# KiCad board robot-hub_rev3.kicad_pcb (continued)
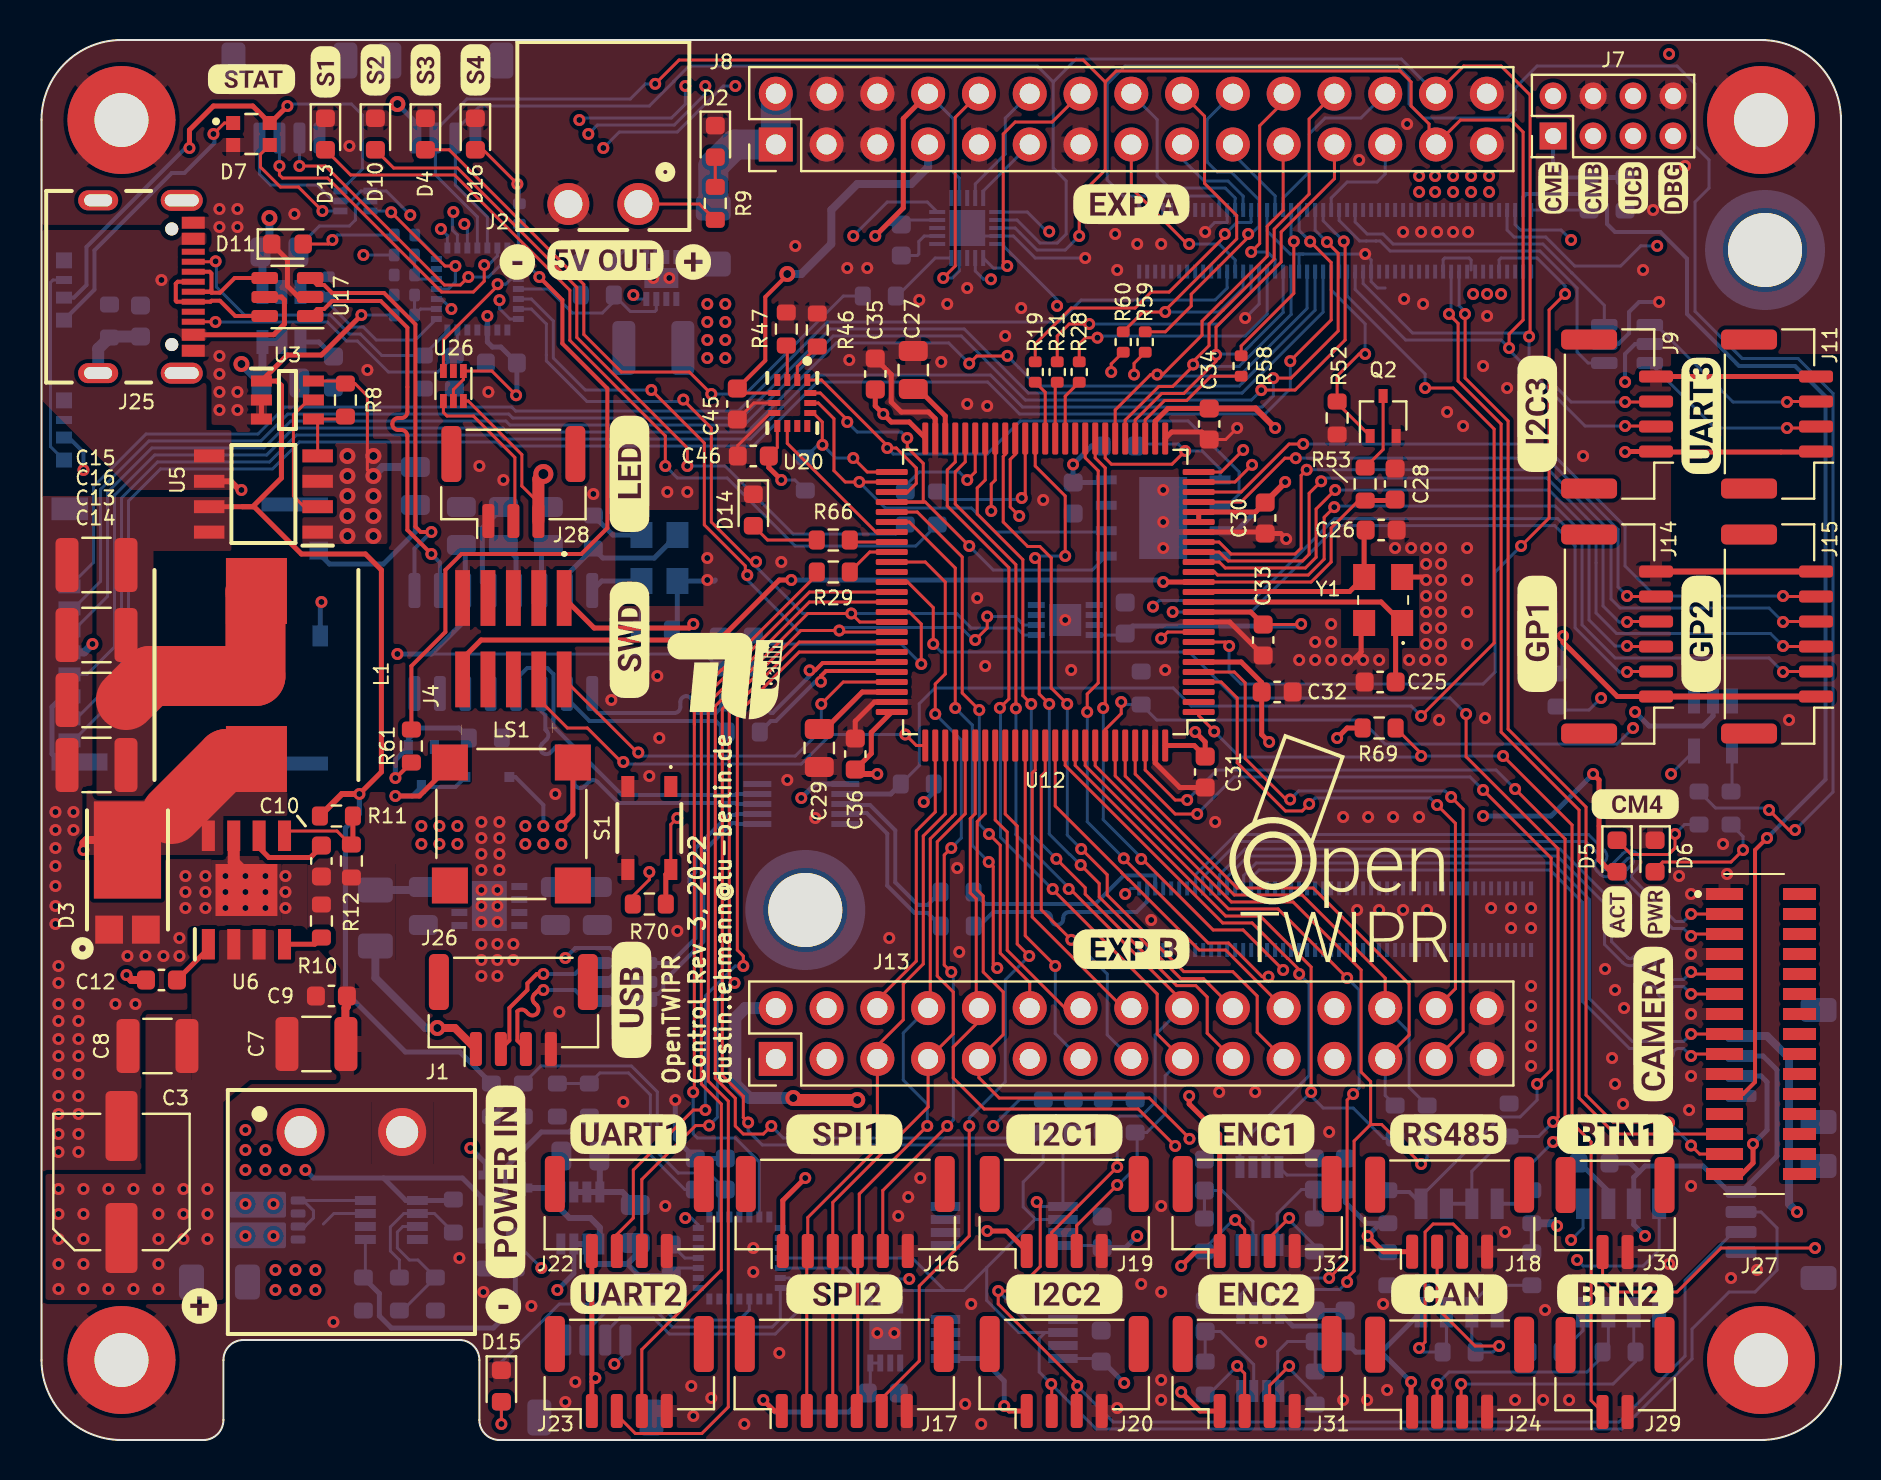
[diagram p0: board, top side]
## Routing (per net, layer and track width the routed paths; a pad name or vN(x,y) marks a point on that pad's centre or on a via; arc(x,y) is an arc through that point) (continued)
3V3_SUPERVISOR: length 17.7
  In1.Cu w0.25: v1(28.65,3.8) 28.65,4.65 v1(25.8,7.5)
  Bottom w0.15: U13.3 31.88,8.6 C37.1 ; v1(28.65,3.8) 29.2,4.35 J5.1
  Bottom w0.25: v1(25.8,7.5) 26.62,8.32 U1.7 ; 29.3,8.8 29.88,8.22 C37.1
  Bottom w0.3: C2.1 29.7,9.2 29.3,8.8 27.45,8.8 27.28,8.97 U1.6 U1.7
5V_REG: length 70.9
  Top w0.25: 10.05,46.66 10.64,46.66 13,44.3 16.2,44.3 17,43.5 17,33.4 v1(15.9,32.3) ; 10.05,46.66 U5.7 ; 10.05,46.66 10.56,46.66 12,48.1 12,52.72 11.78,52.95 U3.1 12.3,54.25 14,54.25 v1(16,56.25)
  Top w0.3: v1(15.9,32.3) 15.03,32.3 R11.1
  Top w3: C13.1 5.42,38.2 10.7,38.2 10.7,42.4 L1.2
  Bottom w0.15: R36.2 v1(16,56.25)
  Bottom w0.25: v1(15.9,32.3) 15.9,31.3 15.2,30.6 15.2,22.4 18.2,19.4 20.92,19.4 R30.2
5V_SWITCHED: length 30.5
  Top w0.15: R9.2 32.91,61.8 J2.1
  In1.Cu w0.4: v2(17.8,66.8) 17.9,66.9 27.8,66.9 29.85,64.85 J2.1
  Bottom w0.25: J12.1 18.7,65.9 v2(17.8,66.8)
  Bottom w1.5: F2.2 33.6,63.7 34.67,64.77 J8.1 J8.2
5V_USB: length 57.1
  Top w0.25: U17.5 12,57.15 12.15,57 12.15,55.8 11.61,55.26 J25.B4_A9
  Top w0.3: U5.6 9.47,47.93 9.9,47.5 v1(10,47.5)
  In1.Cu w0.25: v1(16.1,59.25) 13.97,57.12 6.88,57.12 v1(6,58)
  In1.Cu w0.3: v1(17.8,39.3) 16.7,40.4 14.2,40.4 10,44.6 v1(10,47.5)
  Bottom w0.15: R15.1 33.17,39.3 19.5,39.3 ; R34.2 v1(16.1,59.25)
  Bottom w0.25: v1(17.8,39.3) 19.5,39.3 21.2,40.99 U16.11 21.2,44.63 21.15,44.67
+3V3: length 518.3
  Top w0.15: v1(30.4,28.4) 30.4,28.02 29.58,27.19 R70.1 ; C33.1 62.98,40.77 v1(63,40.8) ; C45.1 35.03,52.35 U20.5 ; v1(23.74,52.24) 22.52,53.45 U26.1 21.1,53.02 20.6,52.52 U26.5 ; C46.1 36.8,49.62 U20.8
  Top w0.2: C45.1 36.2,53.97 36.2,57.15 37.35,58.3
  Top w0.25: J17.1 36.65,1.45 v1(36.1,2) ; J19.1 48.28,10.45 v1(47.3,10.45) ; J20.1 48.4,1.45 v1(48.15,1.7) ; v1(61.4,34.9) 61.02,35.27 C32.1 61.02,37.88 60,38.9 U12.6 ; v1(66.32,10.2) 67.11,9.42 J18.1 ; v1(64.8,35.1) 65.3,35.6 R69.1 ; U12.100 57.65,34.72 C31.1 58.2,34.9 v1(57.7,35.4) ; 44.2,50.12 U12.50 44.2,50.1 43.4,50.9 42.5,50.9 v1(42.1,51.3) 41.7,51.7 C35.1 ; J16.1 37.08,11.97 v1(38.2,13.1) ; v1(32.6,40.8) 32.4,40.6 27.64,40.6 J4.1 ; C33.1 60.48,41.4 U12.11 ; U12.75 41.5,35.37 41.5,34.32 C36.1 ; C30.1 60.73,46.4 U12.21 U12.20 ; v1(68.5,2.9) 68.5,1.47 J24.1 ; C34.2 56.33,51.57 55.7,50.94 U12.27 ; C46.1 36.38,48.62 v1(37,48) ; v1(26,30.7) 26.58,31.27 LS1.P ; J23.1 27.53,2.92 v1(27.7,3.1) 27.53,3.28 J22.1 ; J14.1 78.81,37.17 76.1,39.88 v1(76.1,40.2)
  Top w0.3: C36.1 40.92,33.3 v1(41.8,33.3) ; C30.1 62.2,47.88 v1(62.2,47.9) ; C34.2 60.73,51.57 v1(61.7,50.6) ; J14.1 J15.1
  In1.Cu w0.25: v1(30.4,28.4) 30.4,29.4 30,29.8 ; v1(22.3,56.2) 22.25,56.2 20.75,57.7 19.7,57.7 18.45,58.95 v1(18.45,61.25) ; 34.3,42.3 32.8,40.8 v1(32.6,40.8)
  In1.Cu w0.3: v1(51.59,48.78) 53.67,46.7 61,46.7 v1(62.2,47.9) ; 41.8,34.4 v1(41.8,33.3)
  In1.Cu w0.4: v1(23.74,52.24) 23.76,52.24 26,50 34.5,50 36.5,48 v1(37,48) ; v1(48.15,1.7) 48.15,2.45 47.9,2.7 ; 67.5,9.6 69.5,7.6 77.9,7.6 79,8.7 79,10 ; 67.5,9.6 66.9,10.2 v1(66.32,10.2) 47.55,10.2 v1(47.3,10.45) 49.3,8.45 49.3,4.7 50.1,3.9 ; 67.5,9.6 66.2,8.3 66.2,5.2 v1(68.5,2.9) ; v1(61.4,34.9) 64.6,34.9 v1(64.8,35.1) ; v1(57.7,35.4) 57.7,34.5 58.6,33.6 ; 50.1,3.9 53.1,3.9 v1(54.15,2.85) ; 50.1,3.9 48.9,2.7 47.9,2.7 ; 47.9,2.7 36.8,2.7 v1(36.1,2) 34.5,3.6 30.3,3.6 29.1,2.4 28.4,2.4 v1(27.7,3.1) ; v1(47.6,15.7) 47.6,13.5 46.8,12.7 ; 40.8,14.2 39.7,13.1 v1(38.2,13.1) ; v1(75.8,10.7) 76.4,11.3 77.7,11.3 79,10 ; 79,10 79.2,10.2 v1(80.2,10.2)
  In1.Cu w0.6: v1(42.1,51.3) 41.8,51.3 38.7,54.4 ; 59.75,34.75 58,33 43.7,33 42.3,34.4 36.9,34.4 35.7,33.2 35.7,31.3 34.2,29.8 32.8,29.8 32.9,29.7 39.8,29.7 41,28.5 41,23.33 39.27,21.59 ; 59.75,34.75 59.9,34.9 v1(61.4,34.9) ; 59.75,34.75 59.75,37.53 63,40.78 v1(63,40.8) 63.5,41.3 63.5,45 ; 63.5,45 65.1,45 67.8,47.7 ; 63.5,45 63.5,46.6 v1(62.2,47.9) ; 29.5,29.8 29.5,30.7 32,33.2 32,36.7 34.3,39 34.3,49.8 38.8,54.3 37.35,55.75 37.35,58.3 ; v1(47.3,10.45) 47.3,11.95 45.05,14.2 40.73,14.2 39.27,15.66 39.27,19.05 ; 67.8,47.7 67.8,49.7 65.9,51.6 62.8,51.6 61.8,50.6 v1(61.7,50.6) ; 67.8,47.7 72.8,47.7 74.9,45.6 74.9,41.4 v1(76.1,40.2)
  In1.Cu w1: 39.27,21.59 39.27,19.05 ; v1(26,29.8) 32.8,29.8
  Bottom w0.15: C48.1 41.45,2.47 U21.8 U21.7 ; J6.1 10.9,63.3 11.45,62.75 13.8,62.75 14.6,61.95 U25.5 15.48,61.95 15.98,62.45 U25.1 17.24,62.45 v1(18.45,61.25) ; v1(37,48) 37.67,48 R48.1 ; U22.8 54.12,40.25 C47.1 ; U8.8 52.85,4.07 C22.1 ; C20.1 52.95,9.72 U9.8 ; U28.8 62.29,13.25 64.49,13.25 C50.1 ; v1(47.6,15.7) 48.92,17.03 54.7,17.03 ; 62.98,40.82 v1(63,40.8)
  Bottom w0.2: D9.1 23.7,33.15 25.1,31.75 v1(25.1,30.7) ; R71.1 R82.2
  Bottom w0.25: v1(36.1,2) 36.7,1.4 40.38,1.4 C48.1 ; 67,4.39 67.01,4.39 v1(68.5,2.9) ; 67,4.39 65.73,4.39 C51.1 65.2,5.1 64.6,5.7 62.58,5.7 U27.8 ; 67,4.39 U30.8 ; v1(54.8,10.2) 54.23,9.62 C20.1 ; 79.9,13.4 79.45,13.85 C52.1 ; 79.9,13.4 79.64,13.13 79.64,11.57 ; 79.9,13.4 80.2,13.7 83.1,13.7 84.4,12.4 J21.1 86.8,14.2 86.8,18.5 86.1,19.2 J10.2 ; C47.1 54.58,40.7 62.85,40.7 62.98,40.82 ; v1(62.2,47.9) 59.77,45.46 U11.3 ; v1(76.1,40.2) 76.1,38.62 75.8,38.32 ; v1(54.15,2.85) 53.08,3.92 C22.1 ; v1(22.3,56.2) U14.3 22.3,54.9 22.55,54.65 22.98,54.65 C40.1 23.78,52.27 v1(23.74,52.24) ; R13.1 52.52,49.7 v1(51.59,48.78) 51.59,47.88 C21.2 53.12,47.88 U11.8 ; v1(66.32,10.2) 66.96,10.84 R74.1 66.26,10.84 65.21,11.89 C50.1 ; U8.1 47.03,4.07 48.15,2.95 v1(48.15,1.7) ; U29.3 79.64,10.76 v1(80.2,10.2)
  Bottom w0.4: v2(37.3,58.3) 38,58.3 39.5,59.8 39.5,61.5 40.8,62.8 43.5,62.8 44.34,63.64 44.34,64.77 ; v1(75.8,10.7) 75.66,10.84 R71.1
  vias: v1(24.2,30.7) v1(24.2,29.8) v1(25.1,29.8)
+5V: length 310.4
  Top w0.15: U26.6 21.34,51.95 24.02,49.27 24.02,47.7 24.85,46.87 J28.3 ; U3.6 15.08,52.95 15.2,52.82 15.67,52.82 16.3,52.2 16.3,48.5 v2(16.6,48.2)
  Top w0.25: v1(7.4,64.6) 7.4,65.5 8.6,66.7 10.56,66.7 D7.4 11.45,65.85 v1(12.3,66.7) ; J31.1 57.95,1.45 v1(57,2.4) ; v1(57.4,17.2) 57.4,16.8 58.92,15.28 J32.1 57.75,9.45 v1(57,8.7)
  Top w0.6: J28.3 24.85,48.05 v3(25.1,48.3) ; v2(40.8,17) 37.7,17 v2(37.6,17.1)
  In1.Cu w0.25: v1(57,8.7) v1(57,2.4)
  In1.Cu w0.3: v2(37.6,17.1) 37.7,17 37.7,15.35 36.95,14.6 v1(21.45,14.6) ; v1(7.4,64.6) 7.35,64.6 5,62.25 5,61.45 0.8,57.25 0.8,49.8 v1(2.1,48.5) ; v1(26.2,24.1) 28.19,24.1 30.7,21.59 ; v1(33.3,56.8) 30.05,56.8 v1(29.6,57.25)
  In1.Cu w0.4: 35.06,60.34 35.06,61.74 28.9,67.9 13.5,67.9 v1(12.3,66.7) ; v1(87.8,11.4) 87.5,11.1 80.2,11.1 78.4,12.9 75.5,12.9 72,16.4 58.2,16.4 v1(57.4,17.2)
  In1.Cu w0.6: v2(40.8,17) 57.2,17 v1(57.4,17.2)
  In1.Cu w1.5: v3(25.1,48.3) 25.1,47.2 22.9,45 ; 22.9,45 23.9,44 23.9,37.4 19.9,33.4 v1(19.9,30.7) ; 22.9,45 20.7,47.2 v2(16.6,47.2) ; v1(19.9,29.8) 19.9,23 22.9,20 27.9,20 29.5,21.59 J13.2
  In1.Cu w2: 39.27,62.33 39.3,62.3
  In1.Cu w2.5: v1(33.3,55) 32.65,54.35 20.55,54.35 15.8,49.6 15.8,46 ; 33.6,55.6 33.6,58.87 37.03,62.3 39.3,62.3
  Bottom w0.15: U25.6 16.05,63.55 16.05,66.25 15.5,66.8 12.4,66.8 v1(12.3,66.7) ; U4.4 29.8,57.05 v1(29.6,57.25)
  Bottom w0.2: D8.2 1.62,57.12 2.25,57.75 2.25,59.65 7.2,64.6 v1(7.4,64.6) ; D12.2 1.37,50.12 2.1,49.39 v1(2.1,48.5) ; U18.5 28.21,22.9 28.82,23.51 28.82,24.19 28.41,24.6 26.7,24.6 v1(26.2,24.1)
  Bottom w0.25: D1.2 22.2,13.85 v1(21.45,14.6)
  Bottom w0.4: C11.1 18.95,27.5 F3.1 ; v1(87.8,11.4) 87.4,11.8 87.4,19.1 86.3,20.2 J10.1 ; C5.1 17.05,48.65 v2(16.6,48.2)
  Bottom w0.6: J13.2 35.2,21.59 35.2,21.6 34.7,21.1 34.7,17.8 35.4,17.1 v2(37.6,17.1)
  vias: v1(19,30.7) v1(19,29.8) v1(20.8,30.7) v1(20.8,29.8) v1(33.3,55.9) v1(33.3,54.1) v1(34.2,56.8) v1(34.2,55.9) v1(34.2,55) v1(34.2,54.1) v1(68.9,63.2) v1(68.9,62.4) v1(69.7,63.2) v1(69.7,62.4) v1(70.6,63.2) v1(70.6,62.4) v1(71.5,63.2) v1(71.5,62.4) v1(72.4,63.2) v1(72.4,62.4) v2(15.3,49.2) v2(15.3,48.2) v2(15.3,47.2) v2(15.3,46.2) v2(15.3,45.2) v2(16.6,49.2) v2(16.6,46.2) v2(16.6,45.2)
GND: length 134.8
  Top w0.15: C45.2 35.62,51.85 U20.6 ; v1(59.8,50.6) 59.23,50.02 C34.1 58.42,50 ; C46.2 34.83,49.72 36.45,51.35 U20.7 ; 51.97,64.77 J8.13 ; 46.89,64.68 J8.9
  Top w0.25: C31.2 56.93,32.62 55.7,33.86 U12.99 ; C34.1 58.02,50.4 56.52,50.4 U12.26 ; 31.4,9.57 J22.4 ; U12.19 61.13,45.4 C30.2 61.98,45.32 v1(62.25,45.05) ; J9.4 J11.4 ; U12.49 44.7,51.06 44.36,51.4 43,51.4 42.5,51.9 42.5,53.27 C35.2 ; U12.10 59.42,40.9 C33.2 ; U12.74 41.66,36.9 40.7,35.94 C36.2 ; U17.2 12.85,57.15 12.3,57.7 12.3,59.01 D11.1 ; Y1.2 69.1,43.15 ; U3.3 U3.2 ; Y1.4 66,40.7 66,39.4 65.7,39.1
  Top w0.3: J15.6 J14.6
  Top w0.4: C7.2 15.2,19.82 15.2,21.6 15.28,21.67 C9.2
  Top w0.6: 9.62,30.21 9.62,28.88 10.25,28.25
  Bottom w0.15: C19.2 12.85,59.65 13.9,60.7 15.4,60.7 15.7,61 15.7,61.67 15.98,61.95 U25.2 ; Module1.42 62.9,59.3 63.1,59.3 ; v1(58.2,60.4) 58.67,60.87 59.27,60.87 59.3,60.9 Module1.23 ; 67.2,57.6 66.82,57.6 66.5,57.92 Module1.60 66.5,59 v1(66.2,59.3) 65.1,59.3 ; C49.2 43.8,59.22 43.88,59.3 43.88,59.92 44.15,60.2 U23.12 ; Module1.52 64.9,59.3 65.1,59.3 ; 63.1,59.3 65.1,59.3 ; 63.1,59.3 62.45,59.3 61.3,60.45 Module1.33 ; v1(30.6,58.1) 30.25,58.45 U4.5 ; v1(60.2,56.1) 60.9,56.8 Module1.32 ; v1(52.2,59.1) 49.7,59.1 48.6,60.2 U23.4 46.7,60.2 U23.21 ; C37.2 32.17,9.1 U13.4
  Bottom w0.2: U15.2 78.86,54.8 79.4,55.34 79.4,56.4 79.9,56.9 v1(80.9,56.9)
  Bottom w0.25: J3.6 1.05,37.18 0.53,36.65 0.53,34.31 0.93,33.9 J3.12 ; R44.1 31.8,40.77 Y2.4 33.65,42.95 33.7,43 ; Y2.2 28.58,45.25 R43.2 ; 78.36,11.81 78.36,12.44 76.95,13.85 76.88,13.85 ; U16.12 22.05,42.89 22.05,45.6 C43.2 ; C51.2 C53.2 ; C38.1 C39.1 31.7,15.07 v1(31.7,17) ; C5.2 18.7,45.4 17.1,43.8 14.4,43.8 13.87,44.33 J3.9
  Bottom w0.3: U1.2 U1.4 ; U1.4 27.92,14.17 C1.2 ; U1.4 29.05,12.4 C2.2 ; 1.98,33.82 J3.12
  vias: v1(0.7,31.4) v1(0.7,30.5) v1(0.7,29.6) v1(0.7,28.7) v1(0.7,27.7) v1(0.7,26.7) v1(0.7,25.8) v1(0.85,23.7) v1(0.85,22.85) v1(0.85,21.8) v1(0.85,20.95) v1(0.85,20.05) v1(0.85,19.2) v1(0.85,18.3) v1(0.85,17.2) v1(0.85,16.3) v1(0.85,15.3) v1(0.85,14.4) v1(1.6,31.4) v1(1.6,30.5) v1(1.85,21.8) v1(1.85,20.95) v1(1.85,20.05) v1(1.85,19.2) v1(1.85,18.3) v1(1.85,17.2) v1(1.85,16.3) v1(1.85,15.3) v1(1.85,14.4) v1(3.7,21.8) v1(4.3,24.2) v1(4.7,21.8) v1(5.2,24.2) v1(6.1,24.2) v1(6.9,25.1) v1(6.9,24.2) v1(7.2,28.2) v1(7.2,27.4) v1(7.2,26.6) v1(8.2,28.2) v1(8.2,27.4) v1(8.2,26.6) v1(8.9,61.55) v1(8.9,60.65) v1(8.9,54.2) v1(8.9,53.3) v1(8.9,52.4) v1(8.9,51.5) v1(9.2,28.2) v1(9.2,27.4) v1(9.2,26.6) v1(9.8,61.55) v1(9.8,60.65) v1(9.8,52.4) v1(9.8,51.5) v1(10.2,28.2) v1(10.2,27.4) v1(10.2,26.6) v1(11.2,28.2) v1(11.2,27.4) v1(11.2,26.6) v1(12.2,28.2) v1(12.2,27.4) v1(12.2,26.6) v1(12.65,61.3) v1(14.6,5.9) v1(15.4,64.7) v1(16.3,53.5) v1(20.9,9.1) v1(21.9,48.7) v1(22,30.9) v1(22,30.1) v1(22,29.3) v1(22,28.5) v1(22,27.5) v1(22,26.7) v1(22,25.9) v1(22,24.8) v1(22,24) v1(22,23.2) v1(22.1,7.4) v1(22.35,52.4) v1(22.8,27.5) v1(22.8,26.7) v1(22.8,25.9) v1(22.8,24.8) v1(22.8,24) v1(22.8,23.2) v1(22.9,30.9) v1(22.9,30.1) v1(22.9,29.3) v1(22.9,28.5) v1(23.1,48) v1(23.6,24.8) v1(23.6,24) v1(24.5,6.7) v1(25.7,32.3) v1(25.9,21.4) v1(26.2,1.9) v1(26.7,2.9) v1(27.6,47.3) v1(28.5,37) v1(29.1,16.9) v1(30.4,33.2) v1(30.8,38.2) v1(30.9,35.1) v1(31.2,11.7) v1(31.3,47.4) v1(31.4,58.1) v1(31.8,25.45) v1(32.3,47.4) v1(32.5,2.7) v1(32.6,1.2) v1(33.3,44.1) v1(33.3,43) v1(33.5,2.1) v1(35.15,0.8) v1(35.6,9.6) v1(35.6,8.4) v1(36.9,4.35) v1(37,43.9) v1(37.3,33) v1(37.7,59.7) v1(38.7,31.1) v1(40.3,58.6) v1(40.4,54) v1(41.3,58.6) v1(41.8,5.35) v1(42.4,25.1) v1(42.65,5.35) v1(42.85,11.2) v1(43.35,12.15) v1(43.9,57) v1(43.95,13.1) v1(45,53.9) v1(45.3,56.8) v1(45.8,28.6) v1(45.9,24.4) v1(46.2,1.8) v1(46.3,57.6) v1(46.3,51.8) v1(46.5,6.8) v1(46.8,42.1) v1(47,0.8) v1(47.2,38.7) v1(47.3,51.7) v1(48.2,55.2) v1(49,56.6) v1(50.1,47) v1(51.2,41) v1(51.5,38.5) v1(53.7,60.3) v1(53.8,58.5) v1(53.8,1.6) v1(54.8,59.8) v1(55,7.8) v1(55.5,26) v1(56,59.8) v1(56,11.7) v1(56,7.4) v1(56,3) v1(56,2) v1(56.1,47.5) v1(56.1,45.9) v1(56.1,44.6) v1(56.2,38.5) v1(58.7,30.9) v1(58.9,17.4) v1(60.7,17.4) v1(61,4.9) v1(62.9,39) v1(63.7,39.9) v1(63.7,39) v1(64.4,15.4) v1(64.5,40.8) v1(64.5,39.9) v1(64.5,39) v1(65.1,31.15) v1(65.1,2) v1(65.3,39) v1(65.8,26.5) v1(65.9,64) v1(66.1,39) v1(66.3,2) v1(66.35,31.15) v1(66.9,39) v1(66.9,26.5) v1(67.1,6.8) v1(67.3,2.5) v1(67.6,31.15) v1(67.7,44.6) v1(68.1,60.4) v1(68.15,57.05) v1(68.1,26.5) v1(68.3,65.8) v1(68.4,39) v1(68.5,44.6) v1(68.9,31.15) v1(69,60.4) v1(69.1,56.8) v1(69.2,39) v1(69.25,44.6) v1(69.25,43.8) v1(69.25,43) v1(69.25,42.2) v1(69.25,41.4) v1(69.25,40.6) v1(69.25,39.8) v1(69.3,26.5) v1(69.8,60.4) v1(69.9,36) v1(70,44.6) v1(70,43.8) v1(70,43) v1(70,42.2) v1(70,41.4) v1(70,40.6) v1(70,39.8) v1(70,39) v1(70.3,51.4) v1(70.6,60.4) v1(71.1,50.7) v1(71.3,44.6) v1(71.3,43) v1(71.3,41.4) v1(71.3,39.8) v1(71.35,60.4) v1(72.1,53.7) v1(72.2,36.1) v1(72.3,56.2) v1(72.5,26.6) v1(73.2,10.4) v1(73.3,52.6) v1(73.5,26.6) v1(73.5,25.6) v1(73.7,2) v1(74.5,26.6) v1(74.5,25.6) v1(74.5,22.7) v1(74.5,21.7) v1(74.5,20.7) v1(74.5,19.7) v1(74.5,18.7) v1(75.1,2) v1(75.2,6.5) v1(76.4,2) v1(77.1,49.2) v1(78.2,23.55) v1(78.55,19.1) v1(78.7,22.5) v1(78.7,17.8) v1(79.15,21.6) v1(79.1,16.8) v1(80.1,58.5) v1(80.6,61.5) v1(81.4,8.8) v1(81.9,28.2) v1(82.2,63.7) v1(82.4,16.5) v1(82.5,27.3) v1(82.5,24.3) v1(82.5,21.3) v1(82.5,18.2) v1(82.5,12.7) v1(84.1,29.8) v1(84.3,28.3) v1(84.5,8.1) v1(85.8,8.5) v1(87.4,36)
/Microcontrollers/UC_USB_N: length 8
  Top w0.2: v1(38.42,38.48) 38.7,38.48 39.07,38.85 42.48,38.85 U12.70
  Bottom w0.2: 35.92,36.9 36.48,36.35 36.57,36.35 38.42,38.2 v1(38.42,38.48)
/Microcontrollers/UC_USB_P: length 8
  Top w0.2: U12.71 42.48,38.45 39.23,38.45 38.98,38.2 v1(38.98,37.92)
  Bottom w0.2: 35.92,35.4 36.48,35.95 36.73,35.95 38.7,37.92 v1(38.98,37.92)
BOOT0: length 95.5
  Top w0.15: v1(54,36.9) 54,36.32 53.2,35.52 U12.94
  In1.Cu w0.25: v1(79.6,35.6) 80.8,35.6 81.8,36.6 81.8,61.3 79.6,63.5 J7.5
  In1.Cu w0.3: v1(54,36.9) 54,37.9 52.7,39.2 49.6,39.2 48.5,40.3 48.5,44.1 45.2,47.4 45.2,49.5 46.15,50.45 49.65,50.45 50.3,51.1 50.3,56.21 v1(50.79,56.71)
  Bottom w0.15: U23.5 48.01,59.8 50.79,57.02 v1(50.79,56.71) ; v1(79.6,35.6) 78.8,34.8 67.2,34.8 66,36 55.77,36 R17.1 54.12,36.77 v1(54,36.9)
BUTTON_INTERN: length 38.1
  Top w0.15: U12.9 56.32,40.4 v1(56,40.08) ; v1(31.8,31.1) 31.48,30.77 S1.2
  Top w0.25: S1.2 31.23,28.27 R70.2
  In1.Cu w0.25: v1(31.8,31.1) 33.4,31.1 33.8,31.5 33.8,33.4 36.4,36 43.7,36 44.6,35.1 54.1,35.1 55,36 55,39.08 v1(56,40.08)
CAM_GPIO: length 59.7
  Top w0.2: J27.11 85.1,17.3 85.7,17.9 85.7,29.5 v1(86.3,30.1)
  Bottom w0.2: v1(86.3,30.1) 89.23,33.03 89.23,52.17 87.7,53.7 84.9,53.7 82.3,56.3 82.3,59.06 80.96,60.4 78.7,60.4 78.3,60.8 78.3,61.76 77.76,62.3 74.25,62.3 74.1,62.15 Module1.97
CAM_SCL: length 52.1
  Top w0.15: J27.13 78.7,15.3 76.9,17.1 76.9,31.5 73,35.4 73,50.8 70.85,52.95 70.85,55.83 70.62,56.06 70.62,56.07 v1(70.39,56.3)
  Bottom w0.15: Module1.80 70.5,56.41 v1(70.39,56.3)
CAM_SDA: length 52
  Top w0.15: v1(81.4,15.87) 81.37,15.9 78.59,15.9 77.25,17.25 77.25,31.65 73.35,35.54 73.35,50.95 71.2,53.1 71.2,56.29 v1(71.19,56.3) ; J27.14 82.93,14.3 v1(82.5,14.73)
  Bottom w0.15: v1(81.4,15.87) 82.5,14.77 v1(82.5,14.73) ; v1(71.19,56.3) 71.19,56.42 70.9,56.71 Module1.82
CAMC_N: length 31.7
  Top w0.15: v1(82.5,20.3) J27.8
  Bottom w0.15: v1(82.5,20.3) 82.13,19.92 79.57,19.92 77.42,22.07 77.42,27.02 75.6,28.85 60.75,28.85 60.13,28.22 60.13,27.85 60.1,27.83 Module1.127
CAMC_P: length 31.8
  Top w0.15: J27.9 82.6,19.3 v1(82.5,19.2)
  Bottom w0.15: Module1.129 60.5,27.83 60.48,27.85 60.48,28.08 60.9,28.5 75.45,28.5 77.08,26.88 77.08,21.92 79.42,19.57 80.75,19.57 arc(80.93,19.5) 81.01,19.31 arc(81.09,19.12) 81.27,19.05 81.35,19.05 arc(81.53,19.12) 81.61,19.31 arc(81.69,19.5) 81.88,19.57 82.13,19.57 v1(82.5,19.2)
CAMD0_N: length 32.6
  Top w0.15: v1(82.5,26.3) J27.2
  Bottom w0.15: v1(82.5,26.3) 82.13,25.92 81.72,25.92 79.57,28.07 arc(79.52,28.2) 79.57,28.32 79.82,28.56 arc(79.97,28.94) 79.82,29.31 arc(79.45,29.46) 79.07,29.31 78.29,28.53 arc(78.25,28.51) 78.21,28.53 78.05,28.69 arc(78.03,28.73) 78.05,28.77 78.17,28.9 arc(78.29,29.19) 78.17,29.48 77.37,30.27 59.73,30.27 57.73,28.27 57.73,27.85 57.7,27.83 Module1.115
CAMD0_P: length 32.6
  Top w0.15: J27.3 82.6,25.3 v1(82.5,25.2)
  Bottom w0.15: v1(82.5,25.2) 82.13,25.57 81.58,25.57 81.13,26.03 arc(80.95,26.1) 80.78,26.03 arc(80.61,25.95) 80.43,26.03 80.36,26.1 arc(80.28,26.28) 80.36,26.45 arc(80.43,26.62) 80.36,26.8 79.33,27.83 arc(79.17,28.2) 79.33,28.57 79.57,28.81 arc(79.62,28.94) 79.57,29.06 arc(79.45,29.11) 79.32,29.06 78.54,28.28 arc(78.25,28.16) 77.96,28.28 77.8,28.44 arc(77.68,28.73) 77.8,29.02 77.92,29.15 arc(77.94,29.19) 77.92,29.23 77.23,29.92 59.87,29.92 58.08,28.13 58.08,27.85 58.1,27.83 Module1.117
CAMD1_N: length 32.1
  Top w0.15: v1(82.5,23.4) 82.6,23.3 J27.5
  Bottom w0.15: Module1.121 58.9,27.83 58.92,27.85 58.92,28.27 60.2,29.55 75.95,29.55 78.52,26.97 78.52,24.92 79.33,24.11 arc(79.46,24.06) 79.58,24.11 79.84,24.37 arc(80.21,24.52) 80.58,24.37 arc(80.73,24) 80.58,23.63 80.32,23.37 arc(80.27,23.25) 80.32,23.12 80.42,23.02 82.13,23.02 v1(82.5,23.4)
CAMD1_P: length 32.1
  Top w0.15: v1(82.5,22.3) J27.6
  Bottom w0.15: Module1.123 59.3,27.83 59.27,27.85 59.27,28.13 60.35,29.2 75.8,29.2 78.17,26.83 78.17,24.78 79.09,23.87 arc(79.46,23.71) 79.83,23.87 80.08,24.12 arc(80.21,24.17) 80.33,24.12 arc(80.38,24) 80.33,23.87 80.08,23.62 arc(79.92,23.25) 80.08,22.88 80.28,22.67 80.56,22.67 arc(80.76,22.59) 80.84,22.39 arc(80.92,22.19) 81.13,22.11 81.16,22.11 arc(81.36,22.19) 81.44,22.39 arc(81.52,22.59) 81.73,22.67 82.13,22.67 v1(82.5,22.3)
CANH: length 12.8
  Top w0.15: v1(69.8,2.8) J24.2
  Bottom w0.15: 78.36,6.62 78.36,4.69 R79.1 78.08,4.17 77.3,3.4 70.4,3.4 v1(69.8,2.8)
CANL: length 13.3
  Top w0.15: J24.3 71.05,1.62 71,1.67 v1(71,2.8)
  Bottom w0.15: 79.64,6.62 79.64,4.49 R79.2 79.73,3.92 78.6,2.8 v1(71,2.8)
CANRX: length 59.4
  Top w0.15: U12.81 46.7,31.32 46.45,31.07 46.45,27.36 46.75,27.06 46.75,21.73 J13.10 46.89,20.94 45.6,19.65 45.6,18.1 47.15,16.55 54.85,16.55 v1(56.7,14.7)
  In1.Cu w0.25: v1(56.7,14.7) 57.9,13.5 65.6,13.5 70.5,8.6 76.4,8.6 v1(76.8,9)
  Bottom w0.15: v1(76.8,9) 77.1,8.7 80.1,8.7 80.91,9.5 80.91,11.57
CANTX: length 53.1
  Top w0.15: U12.82 47.2,31.32 46.8,30.92 46.8,27.5 47.1,27.2 47.1,23.4 48.1,22.4 48.1,20.27 J13.9 46.89,18.11 47.9,17.1 55.4,17.1 57.42,15.08 v1(57.42,15.06)
  In1.Cu w0.25: v1(76.5,10) 75.9,9.4 71.1,9.4 66,14.5 57.97,14.5 v1(57.42,15.06)
  Bottom w0.15: v1(76.5,10) 77.1,10.6 77.1,11.57 77.1,11.57
CC1: length 16
  Top w0.15: J25.A5 8.69,58.91 v1(8.71,58.93)
  Bottom w0.15: v1(8.71,58.93) 8.75,58.89 8.75,57.65 10.15,56.25 14.44,56.25 15.39,55.3 15.95,55.3 17.03,54.22 R41.1 20.3,55.42 U14.7
CC2: length 15.8
  Top w0.15: J25.B5 8.69,55.91 v1(8.7,55.9)
  Bottom w0.15: v1(8.7,55.9) 14.3,55.9 15.25,54.95 15.8,54.95 17.35,53.4 19.83,53.4 R40.1 20.8,54.38 U14.6
CM4_EN: length 5.3
  Bottom w0.2: J7.1 75.6,63.7 76.17,63.12 R56.2
  Bottom w0.25: R57.2 R56.2
CM4_EN_SIGNAL: length 59.8
  In1.Cu w0.25: v1(21.15,60.8) 21.15,61.07 21.22,61.14 21.22,61.22 24.6,64.6 v1(28.1,64.6)
  In2.Cu w0.2: J7.2 74.1,68.7 35.7,68.7 v1(34.7,67.7)
  Bottom w0.15: v1(34.7,67.7) 34.1,67.7 31.8,65.4 28.9,65.4 v1(28.1,64.6) ; v1(21.15,60.8) 21.3,60.65 U14.17
CM4_INT2: length 12.9
  Top w0.15: R21.2 50.8,55.2 51.4,55.8 v1(52.4,55.8)
  Bottom w0.15: Module1.30 60.5,57.4 58.9,55.8 v1(52.4,55.8)
CM4_NRST: length 10.4
  Top w0.15: Q2.1 64.8,51.85 R52.1 64.8,53.2 65.9,54.3 v1(66.2,54.3)
  Bottom w0.15: Module1.50 64.5,57.51 66.2,55.81 v1(66.2,54.3)
CM4_RXD0: length 18.6
  Bottom w0.15: Module1.51 64.9,60.97 65.92,59.95 66.95,59.95 67.45,59.45 74.94,59.45 76.8,57.59 76.8,54.4 77.35,53.85 U15.1
CM4_RXD0_OUT: length 9.6
  Top w0.15: 87.4,50.6 88.67,50.6 J11.2
  Bottom w0.15: v1(87.3,50.6) 83.69,50.6 U15.6
CM4_RXD2: length 4.2
  Bottom w0.15: Module1.35 61.7,62.2 59.58,64.31 J8.19
CM4_RXD5: length 21.3
  Top w0.15: J8.18 58.17,66.19 58.17,62.83 59.78,61.22 59.78,60.06 56.2,56.48 v1(56.2,56.4) 55.09,56.4 R60.1
  Bottom w0.15: Module1.28 60.1,57.6 58.9,56.4 v1(56.2,56.4)
CM4_SCL1: length 109.5
  Top w0.15: v1(51.9,60.2) 51.9,62.2 53.2,63.5 53.2,67.9 ; 69.4,64.77 69.4,65.8 68.5,66.7 68.5,67.9 67.95,68.45 53.75,68.45 53.2,67.9 ; 53.2,67.9 52.1,69 31.89,69 v1(30.69,67.81) ; J9.2 80.73,50.7 v1(79.2,50.7) ; v1(73.4,54.6) 73.4,55.3 74.1,56 74.1,65.4 73.5,66 70.97,66 69.74,64.77
  Bottom w0.15: v1(79.2,50.7) 77.2,50.7 73.4,54.5 v1(73.4,54.6) 73,55 68.23,55 65.7,57.52 Module1.56 ; U14.18 21.8,61.16 19.7,63.26 J12.2 19.7,65.48 21.27,67.05 29.45,67.05 30.21,67.81 v1(30.69,67.81) ; U23.3 48.69,60.6 49.79,59.5 51.2,59.5 v1(51.9,60.2)
CM4_SDA1: length 106.8
  Top w0.15: v1(74.4,55.17) 74.45,55.22 74.45,67.25 73,68.7 71.13,68.7 69.74,67.31 ; v1(79.2,51.9) 80.73,51.9 J9.3
  Bottom w0.15: 50.6,67.9 49.8,68.7 32.39,68.7 31.63,67.94 31.63,67.93 30.4,66.7 21.92,66.7 20.7,65.48 J12.3 20.7,62.75 22.3,61.15 U14.19 ; 50.6,67.9 51.75,69.05 68.01,69.05 69.74,67.31 ; 50.6,67.9 50.6,63.6 51.25,62.95 51.25,60.3 50.8,59.85 49.94,59.85 48.79,61 U23.2 ; Module1.58 66.1,57.82 68.57,55.35 74.22,55.35 v1(74.4,55.17) 74.4,54 76.5,51.9 v1(79.2,51.9)
CM4_SPI0_CE0: length 8.4
  Top w0.15: R58.1 60,54.7 62.63,57.33 v1(62.63,59.93)
  Bottom w0.15: v1(62.63,59.93) 62.5,60.06 Module1.39
CM4_SPI0_CE1: length 9
  Bottom w0.15: J8.26 65.99,66.1 64.2,66.1 63.4,65.3 63.4,63.4 62.1,62.1 Module1.37
CM4_SPI0_MISO: length 30.1
  Top w0.15: J8.24 63.4,66.05 63.4,62.29 61.65,60.54 61.65,59.04 59.11,56.5 59.1,56.5 58.39,55.79 58.39,54.72 57.6,53.92 v1(57.6,53.77) 57.6,53.7 56.57,52.67 55.88,52.67 54.2,50.99 U12.30
  Bottom w0.15: Module1.40 62.5,56.28 59.9,53.68 57.69,53.68 v1(57.6,53.77)
CM4_SPI0_MOSI: length 29.3
  Top w0.15: J8.21 62.1,64.75 62.1,61.49 61.3,60.69 61.3,59.19 59.01,56.9 59,56.9 58.04,55.94 58.04,55.24 56.07,53.27 v1(55.8,53.27) 55.47,53.27 53.7,51.5 U12.31
  Bottom w0.15: v1(55.8,53.27) 55.87,53.2 59.91,53.2 63.3,56.59 Module1.44
CM4_SPI0_SCLK: length 25.8
  Top w0.15: U12.29 54.7,51 56.02,52.32 57.13,52.32 58.74,53.94 v1(58.74,54.26) 58.74,55.64 62,58.9 62,60.4 64.67,63.06 J8.23
  Bottom w0.15: Module1.38 62.1,56.38 60.02,54.3 58.79,54.3 v1(58.74,54.26)
CM4_SPI6_MOSI: length 5.2
  Bottom w0.15: Module1.27 60.1,62.19 59.34,62.95 58.15,62.95 57.05,64.05 J8.17
CM4_SPI6_SCLK: length 9.6
  Bottom w0.15: J8.16 55.8,66.02 55.8,63.2 56.4,62.6 59.2,62.6 59.7,62.1 Module1.25
CM4_TXD0: length 15.8
  Bottom w0.15: Module1.55 65.7,60.9 66.3,60.3 67.09,60.3 67.6,59.8 75.09,59.8 76.54,58.35 76.54,58.35 78.16,56.73 U15.3
CM4_TXD0_OUT: length 9.9
  Top w0.15: J11.3 87.33,51.92 v1(87.3,51.9)
  Bottom w0.15: v1(87.3,51.9) 84.6,51.9 80.75,55.75 U15.4
CM4_TXD2: length 10.5
  Top w0.15: v1(60.5,59.4) 60.93,59.83 60.93,65.71 62.13,66.91 J8.22
  Bottom w0.15: Module1.36 61.7,59.02 61.32,59.4 v1(60.5,59.4)
CM4_TXD5: length 17
  Top w0.15: R59.1 56.21,55.41 57.5,56.7 57.5,57.29 60.35,60.14 v1(60.35,60.3)
  Bottom w0.15: J8.20 58.3,66.03 58.3,63.9 58.8,63.4 59.5,63.4 60.9,62 Module1.31 60.9,60.7 60.5,60.3 v1(60.35,60.3)
CM4_UC_NEW_SAMPLES: length 13
  Top w0.15: R28.1 51.9,54.8 52.21,55.11 v1(52.81,55.11)
  Bottom w0.15: Module1.34 61.3,56.3 60.2,55.2 52.9,55.2 v1(52.81,55.11)
CM4_UC_RESET_UART: length 14.6
  Top w0.15: v1(59.18,60.3) 59.18,60.18 56.4,57.4 55.5,57.4 54.7,56.6 51.5,56.6 49.7,54.8 49.7,54.22
  Bottom w0.15: Module1.29 60.5,60.9 60.47,60.88 59.78,60.88 59.2,60.3 v1(59.18,60.3)
CM4_USB_SWITCH_DIR: length 61
  Top w0.15: v1(69,36.2) 72.65,39.85 72.65,50.55 70.6,52.6 v1(69.2,52.6)
  Bottom w0.15: 42.98,32.8 43.9,33.72 43.9,36.81 44.69,37.6 56.6,37.6 57.5,36.7 68.5,36.7 v1(69,36.2) ; v1(69.2,52.6) 69.2,53.3 65.3,57.2 Module1.54
  Bottom w0.25: 42.98,32.8 42.48,32.3 U19.2
CS_FLASH: length 10.7
  Top w0.15: U12.32 53.2,49.1 53.51,48.79 56.54,48.79 v1(57.2,49.45)
  Bottom w0.15: R13.2 54.83,49.8 56.85,49.8 v1(57.2,49.45) 58.05,49.45 58.95,48.55 U11.1
CS_IMU: length 7.1
  Top w0.15: U20.12 38.6,51.35 39.05,50.9 39.05,49.77 v1(39.06,49.76) ; U12.51 41.3,48.4 v1(40.6,49.1)
  Bottom w0.15: v1(40.6,49.1) 39.72,49.1 v1(39.06,49.76) 38.83,49.76 R48.2
DBG_JMP: length 68.8
  In1.Cu w0.25: v1(20.6,61.4) 24.5,65.3 v1(27.35,65.3)
  In2.Cu w0.2: J7.7 80.57,66.23 80.57,67.63 79.1,69.1 34.6,69.1 v1(33.2,67.7)
  Bottom w0.15: v1(27.35,65.3) 27.8,65.75 31.65,65.75 33.2,67.3 v1(33.2,67.7) ; U14.16 20.8,60.25 20.55,60.5 20.55,61.35 v1(20.6,61.4)
DETECT_USB: length 14.4
  Top w0.15: U12.65 43.4,41.4 44,40.8 v1(44,38.8)
  Bottom w0.15: R15.2 R16.1 36.03,39.8 43,39.8 v1(44,38.8)
ENABLE_5V_OUT: length 8.9
  Bottom w0.15: U4.3 30.75,56.5 30.67,56.43 29.45,56.43 R7.2 28.62,56.92 28.05,56.35 26.55,56.35 25.35,57.55 U14.25
ENABLE_SD: length 8.4
  Bottom w0.15: U10.3 14.09,57.4 R14.2 14.35,56.84 15.54,55.65 16.09,55.65 16.74,55 18.7,55 U14.8
ENC1_A: length 44.6
  Top w0.15: 66.47,15.77 65.65,14.95 65.65,8.45 65.3,8.1 v1(65.3,7.9) ; 66.47,15.77 66.47,17.93 66,18.4 66,23.5 62.6,26.9 59.51,26.9 52.7,33.71 U12.93 ; 66.47,15.77 67.03,15.77 v1(69,13.8)
  Bottom w0.15: R25.2 69.3,14.1 v1(69,13.8) ; U27.7 61.27,7.02 61.78,7.53 64.93,7.53 v1(65.3,7.9)
ENC1_B: length 40.1